# Altium PCB DSUB_V2_JGl_RoV24_RevA.PcbDoc (part 2 of 2)
Units mm, origin at the board's own origin, x right, y up, seen from the top; angles counter-clockwise.
Board outline 180 x 186 mm, 4 copper layers (Top Layer, Layer 1, Layer 2, Bottom Layer), stack 0.603 mm thick; 123 components, 97 nets, 879 pads, 118 vias.
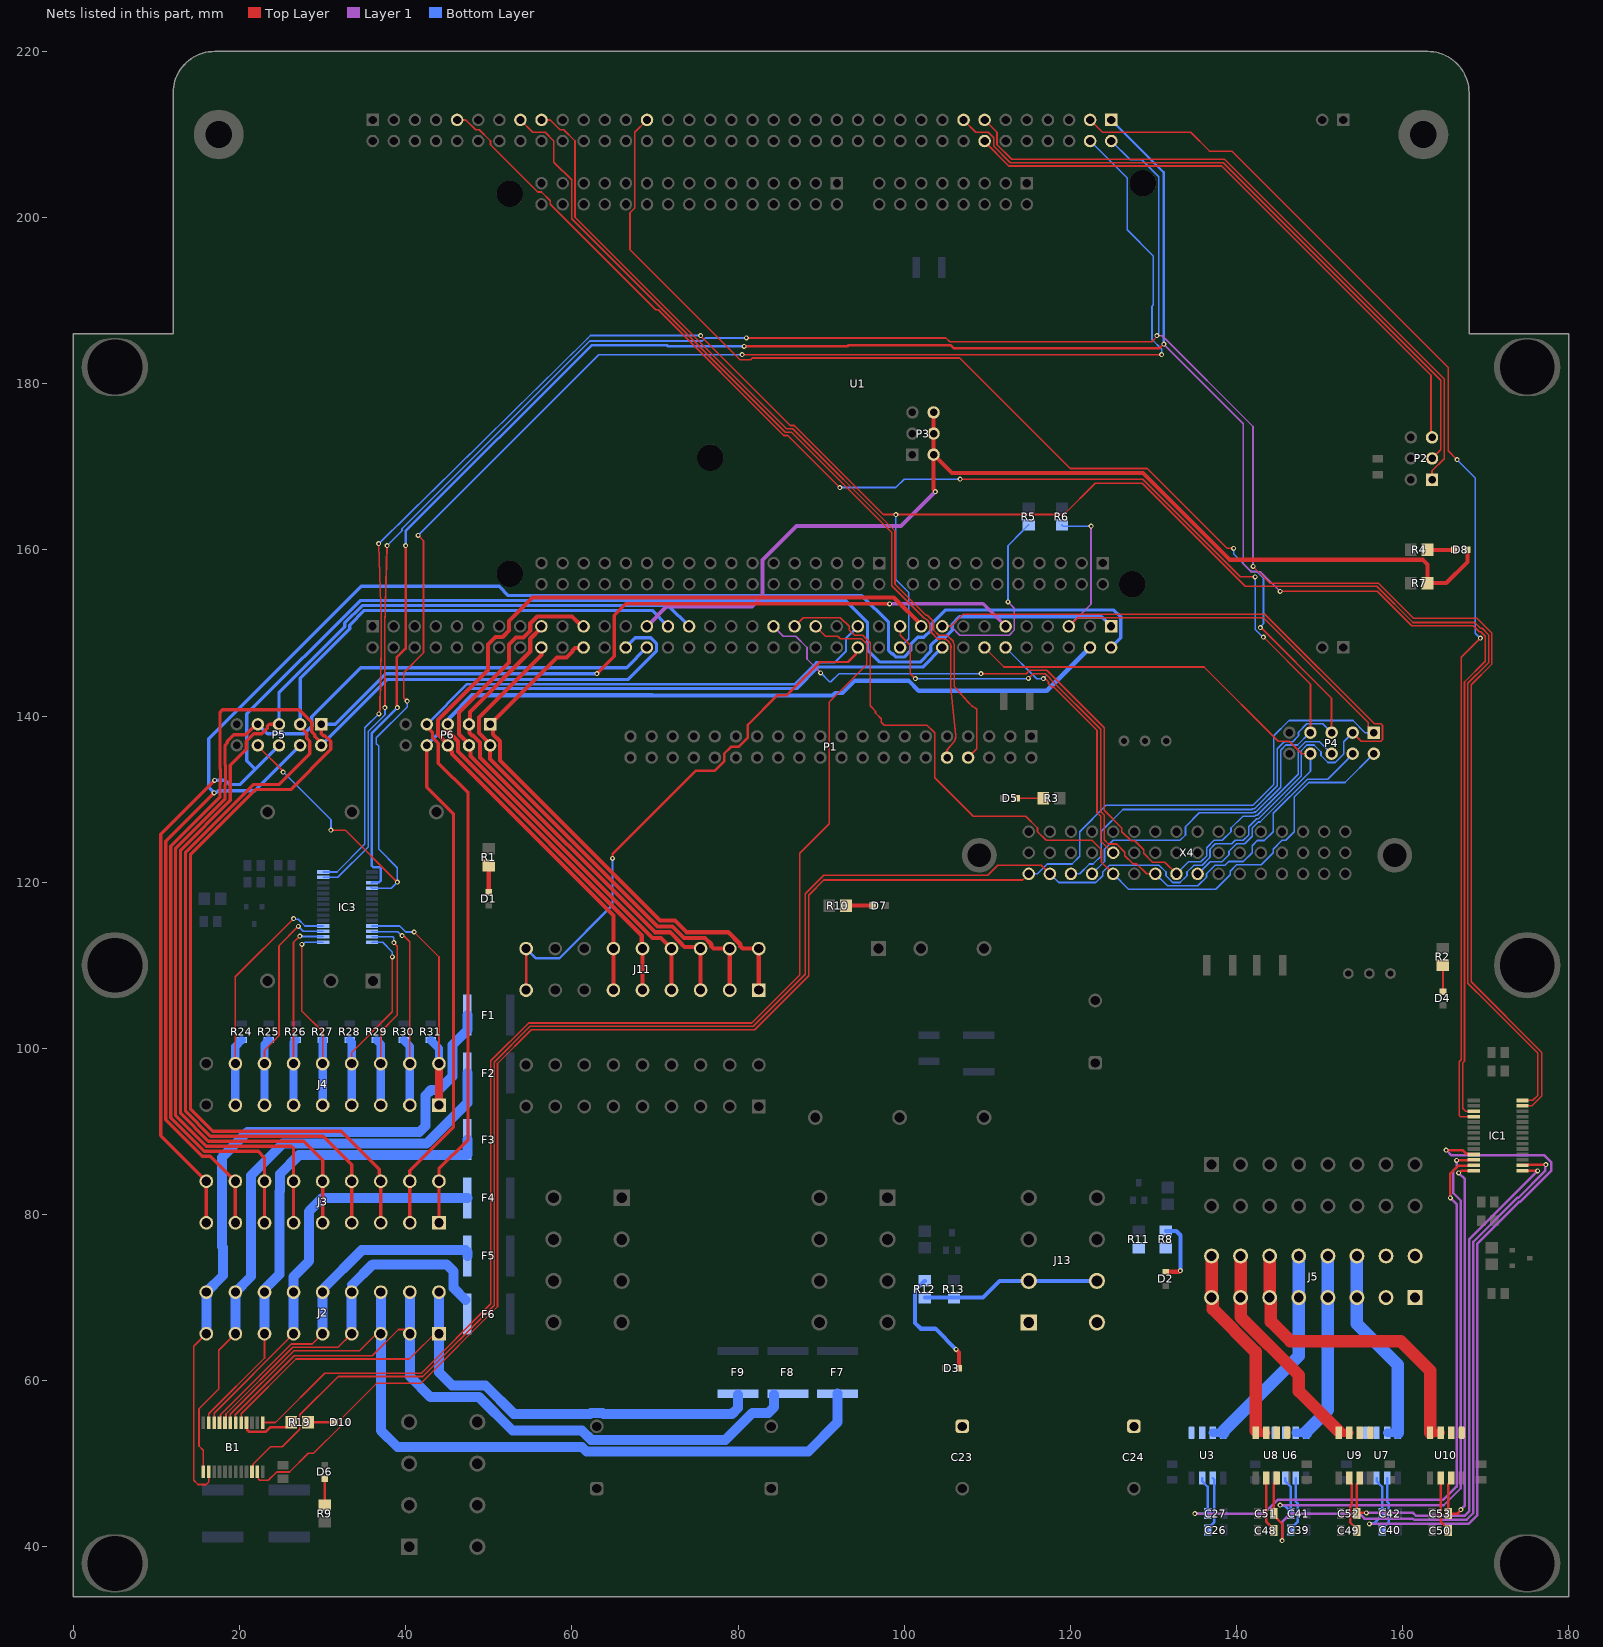
[diagram p4: the nets of this part, all layers, seen from the top]

## Via types
v1: diameter 0.6, hole 0.3, Top Layer to Bottom Layer, 118 vias

## Nets (pads, with @x,y where several pads share a name; then routed paths per layer and width w, separated by ;. In a path a pad name is that pad's centre, name@x,y a point inside that pad or via, vN(x,y) a via of type N, cw(c..) or ccw(c..) an arc to the next point about the centre after c; other vN are vias at no path point) (continued)
GPIO3: J11.17 J11.18 U1.CN12_26 | length 66.3
  Top Layer w0.3: J11.17@54.5,107 J11.18@54.5,112 ; v1(64.893,122.85) 64.893,123.393 74.9,133.4 77.176,133.4 78.32,134.544 78.32,135.456 79.134,136.27 80.046,136.27 81.2,137.424 81.2,138.95 84.757,142.507 85.876,142.507 89.868,146.5 93.25,146.5 94.199,147.449 94.199,148.019 U1.CN12_26@94.43,148.25
  Bottom Layer w0.3: J11.18@54.5,112 55.675,110.825 58.487,110.825 64.893,117.232 v1(64.893,122.85)
Interrupt_Fuses: B1.1 U1.CN12_29 | length 154.3
  Top Layer w0.2: B1.1@22.791,54.95 24.317,54.95 30.267,60.9 41.9,60.9 50.25,69.25 50.25,98.5 54.8,103.05 81.669,103.05 87.434,108.816 87.434,123.485 90.97,127.021 90.97,141.691 95.484,146.205 95.484,148.687 94.867,149.304 92.327,149.304 92.017,149.613 90.527,149.613 U1.CN12_29@89.35,150.79
M1_Cur: C42.2 IC1.11 U7.7 | length 83.2
  Top Layer w0.3: v1(165.25,87.75) 167.23,87.75 167.68,87.3 168.487,87.3 IC1.11@168.562,87.225
  Layer 1 w0.3: v1(156,42.75) 167.914,42.75 169,43.836 169,76.5 174,81.5 174.126,81.5 177.9,85.274 177.9,86.269 177.019,87.15 165.85,87.15 v1(165.25,87.75)
  Bottom Layer w0.3: v1(156,42.75) 156.057,42.807 156.557,42.807 157.55,43.8 C42.2@157.55,44 157.55,47.21 156.865,47.895 U7.7@156.865,48.275
M1_PWM: J11.1 J11.2 P6.1 U1.CN12_52 | length 65.7
  Top Layer w0.5: U1.CN12_52@61.41,148.25 61.326,148.166 60.367,148.166 60.074,147.873 60.074,147.751 59.369,147.046 58.206,147.046 P6.1@50.16,139 50.519,138.641 50.519,137.798 51.36,136.957 51.36,134.63 70.615,115.375 72.408,115.375 73.808,113.975 78.828,113.975 80.275,112.528 80.275,112.293 80.568,112 J11.2@82.5,112 J11.1@82.5,107
M2_Cur: C41.2 IC1.12 U6.7 | length 71.5
  Top Layer w0.3: v1(166.5,86.5) 166.538,86.538 168.524,86.538 IC1.12@168.562,86.575
  Layer 1 w0.3: v1(145.264,45.015) 145.279,45 164.957,45 167,47.043 167,81.669 166.1,82.569 166.1,85.269 166.5,85.669 v1(166.5,86.5)
  Bottom Layer w0.3: v1(145.264,45.015) 145.321,44.958 145.792,44.958 146.55,44.2 146.55,43.8 146.55,47.21 145.865,47.895 U6.7@145.865,48.275
M2_PWM: J11.3 J11.4 P6.2 U1.CN12_56 | length 60.5
  Top Layer w0.5: U1.CN12_56@56.33,148.25 56.33,147.33 48.82,139.82 48.82,137.947 50.16,136.607 P6.2@50.16,136.46 50.16,134.84 70.325,114.675 72.118,114.675 73.518,113.275 76.028,113.275 76.775,112.528 76.775,112.293 77.068,112 J11.4@79,112 J11.3@79,107
M3_Cur: C27.2 IC1.13 U3.7 | length 80.1
  Top Layer w0.3: v1(165.75,82) 165.75,84.919 166.681,85.85 168.35,85.85 IC1.13@168.5,86
  Layer 1 w0.3: v1(135,44) 143.33,44 144.995,45.665 164.915,45.665 166.5,47.25 166.5,81.25 v1(165.75,82)
  Bottom Layer w0.3: v1(135,44) C27.2@136.55,44 136.55,47.21 135.865,47.895 U3.7@135.865,48.275
M3_PWM: J11.5 J11.6 P6.3 U1.CN12_55 | length 60.9
  Top Layer w0.5: U1.CN12_55@56.523,150.523 56.216,150.523 54.994,149.301 54.994,147.751 47.743,140.5 47.743,139.123 P6.3@47.62,139 47.694,138.926 47.694,137.953 47.987,137.66 48.117,137.66 48.96,136.817 48.96,135.01 69.995,113.975 71.828,113.975 73.275,112.528 73.275,112.467 73.568,112.174 75.326,112.174 J11.6@75.5,112 ; J11.5@75.5,107 J11.6@75.5,111.817
M4_Cur: C53.2 IC1.14 U10.7 | length 49.2
  Top Layer w0.3: U10.7@165.847,48.275 165.847,47.895 165.472,47.52 C53.2@165.472,44 166.669,44 166.669,44.048 167,44.379 v1(167,44.461) ; v1(166.75,85) 166.831,85 167.106,85.275 IC1.14@168.562,85.275
  Layer 1 w0.3: v1(166.75,85) 167.5,84.25 167.5,44.961 v1(167,44.461)
M4_PWM: J11.7 J11.8 P6.4 U1.CN12_51 | length 66.2
  Top Layer w0.5: U1.CN12_51@61.017,150.983 60.006,151.994 55.831,151.994 55,151.163 55,150.297 54.16,149.457 53.294,149.457 52.454,148.617 52.454,146.454 46.42,140.42 46.42,137.807 47.62,136.607 P6.4@47.62,136.46 47.811,136.269 47.811,135.169 69.705,113.275 70.725,113.275 J11.8@72,112 ; J11.7@72,107 J11.8@72,112
M5_Cur: C52.2 IC1.15 U9.7 | length 64.6
  Top Layer w0.3: U9.7@154.847,48.275 154.847,47.895 154.472,47.52 C52.2@154.472,44 154.55,44.078 v1(155.632,44.078) ; IC1.15@174.438,85.275 174.45,85.263 176.237,85.263 v1(176.25,85.25)
  Layer 1 w0.3: v1(155.632,44.078) 161.252,44.078 161.581,43.75 167.5,43.75 168,44.25 168,77 v1(176.25,85.25)
M5_PWM: J11.9 J11.10 P6.5 U1.CN12_4 | length 124.9
  Top Layer w0.5: P6.5@45,139.5 45,138.237 46.28,136.957 46.28,135.71 68.415,113.575 68.415,112.086 J11.10@68.5,112 68.5,111.755 J11.9@68.5,106.689
  Bottom Layer w0.5: P6.5@45.182,139.373 45.271,139.462 45.271,139.771 48,142.5 69.68,142.5 69.73,142.45 91.409,142.45 91.709,142.75 92.568,142.75 94.068,144.25 100.539,144.25 101.748,143.041 117.161,143.041 122.396,148.276 U1.CN12_4@122.587,148.276
M6_Cur: C51.2 IC1.16 U8.7 | length 82.9
  Top Layer w0.3: U8.7@144.847,48.275 144.847,47.895 144.472,47.52 144.472,43.8 145.5,42.772 v1(145.5,40.75) ; IC1.16@174.438,85.925 174.476,85.963 177.213,85.963 v1(177.25,86)
  Layer 1 w0.3: v1(145.5,40.75) 145.5,43 146.5,44 154.792,44 155.392,43.4 161.224,43.4 161.374,43.25 167.707,43.25 168.5,44.043 168.5,76.707 173.793,82 173.919,82 177.193,85.273 177.193,85.943 v1(177.25,86)
M6_PWM: J11.11 J11.12 P6.6 U1.CN12_19 | length 109.7
  Top Layer w0.5: J11.11@65,107 J11.12@65,112 65,116 45.58,135.42 45.58,135.689 45.271,135.998 45.271,136.375 43.88,137.767 43.88,139.497 49.914,145.531 49.914,148.617 50.817,149.52 51.683,149.52 52.454,150.291 52.454,151.454 55.25,154.25 98.75,154.25 U1.CN12_19@102.249,150.751
M_I2C_SCL: B1.22 P4.3 R5.1 U1.CN12_17 X4.A2 | length 292
  Top Layer w0.2: B1.22@21.492,49.05 21.617,49.175 21.617,49.924 23.717,52.025 25.141,52.025 27.241,54.126 27.241,54.23 27.242,55.874 31.867,60.5 42.066,60.5 50.65,69.084 50.65,98.334 54.966,102.65 81.834,102.65 88.1,108.916 88.1,118.6 90.34,120.84 110.044,120.84 111.254,122.05 116.49,122.05 X4.A2@117.54,121 ; U1.CN12_17@104.59,150.79 104.595,150.795 105.644,150.795 107.093,152.244 143.42,152.244 156.614,139.05 157.404,139.05 157.58,138.874 157.58,137.126 157.404,136.95 155.04,136.95 P4.3@153.99,138
  Layer 1 w0.2: U1.CN12_17@104.59,150.79 104.595,150.785 105.644,150.785 106.693,149.736 112.647,149.736 113.264,150.353 113.264,152.986 v1(112.5,153.75)
  Bottom Layer w0.2: v1(112.5,153.75) 112.5,160.5 114.35,162.35 114.35,162.4 114.95,163 R5.1@115,163 ; X4.A2@117.54,121 118.59,119.95 123.055,119.95 123.89,120.785 123.89,121.215 124.725,122.05 130.675,122.05 131.51,121.215 131.51,120.785 132.345,119.95 133.215,119.95 134.05,120.785 134.05,121.215 134.885,122.05 135.881,122.05 136.81,122.979 136.81,123.975 137.465,124.63 139.439,124.63 139.839,125.03 140.835,125.03 141.49,125.685 141.49,126.681 142.459,127.65 142.663,127.65 147.82,132.807 147.82,135.855 148.475,136.51 149.345,136.51 150.18,135.675 150.18,135.245 151.015,134.41 151.885,134.41 152.9,135.425 152.9,136.91 P4.3@153.99,138
M_I2C_SDA: B1.23 P4.1 R6.1 U1.CN12_5 X4.A1 | length 262.2
  Top Layer w0.2: B1.23@22.142,49.05 22.266,48.925 22.266,48.176 22.442,48 23.467,48 24.467,49 26.016,49 28.254,51.238 28.904,51.238 32.142,54.476 32.142,55.324 36.479,59.662 41.794,59.662 51.05,68.919 51.05,98.169 55.131,102.25 82,102.25 88.5,108.75 88.5,118.434 90.316,120.25 114.25,120.25 X4.A1@115,121 ; U1.CN12_5@119.83,150.79 120.884,151.844 143.255,151.844 155.88,139.219 155.88,138.65 P4.1@156.53,138
  Layer 1 w0.2: U1.CN12_5@119.83,150.79 122.499,153.459 v1(122.499,162.857)
  Bottom Layer w0.2: X4.A1@115,121 116.055,121 117.232,122.177 120.202,122.177 121.13,123.105 121.13,126.075 124.305,129.25 142,129.25 144.5,131.75 144.5,137.615 146.335,139.45 154.025,139.45 155.475,138 P4.1@156.53,138 ; R6.1@119,163 119.143,162.857 v1(122.499,162.857)
NetB1_4: B1.4 R19.2 | length 6.8
  Top Layer w0.3: B1.4@20.841,54.95 20.916,54.875 20.916,54.055 21.122,53.85 23.161,53.85 23.711,54.4 25.691,54.4 26.241,54.95 R19.2@26.241,55
NetC23_1: C23.1 J13.A1 J13.B1 R8.2 R11.2 U3.1 U3.2 U6.1 U6.2 U7.1 U7.2
NetC24_1: C24.1 J13.A2 J13.B2 R12.2 R13.2 U8.1 U8.2 U9.1 U9.2 U10.1 U10.2 | length 21.5
  Bottom Layer w0.5: R12.2@102.5,70 R13.2@106,70 109.5,70 111.5,72 J13.A2@115,72 J13.B2@123.2,72
NetC26_2: C26.2 U3.6 | length 6.7
  Bottom Layer w0.3: C26.2@136.55,42 136.55,42.2 137.35,43 137.35,48.06 U3.6@137.135,48.275
NetC39_2: C39.2 U6.6 | length 6.7
  Bottom Layer w0.3: C39.2@146.55,42 146.55,42.2 147.35,43 147.35,45.225 147.135,45.44 U6.6@147.135,48.275
NetC40_2: C40.2 U7.6 | length 6.7
  Bottom Layer w0.3: C40.2@157.55,42 157.55,42.2 158.35,43 158.35,45.225 158.135,45.44 U7.6@158.135,48.275
NetC48_2: C48.2 U8.6 | length 6.7
  Top Layer w0.3: U8.6@143.577,48.275 143.577,43.041 144.472,42.146 C48.2@144.472,41.946
NetC49_2: C49.2 U9.6 | length 6.9
  Top Layer w0.3: U9.6@153.577,48.275 153.577,47.895 153.9,47.572 153.9,45.096 153.672,44.869 153.672,42.946 154.472,42.146 C49.2@154.472,41.946
NetC50_2: C50.2 U10.6 | length 6.7
  Top Layer w0.3: U10.6@164.577,48.275 164.577,43.041 165.472,42.146 C50.2@165.472,41.946
NetD1_1: D1.1 R1.1 | length 3.2
  Top Layer w0.5: D1.1@50,118.8 R1.1@50,122.001
NetD2_2: D2.2 R8.1 | length 8
  Top Layer w0.5: D2.2@131.5,73.1 133.073,73.1 133.223,73.25 v1(133.25,73.25)
  Bottom Layer w0.5: R8.1@131.5,78 132.75,78 133.25,77.5 v1(133.25,73.25)
NetD3_2: D3.2 R12.1 | length 14.3
  Top Layer w0.5: v1(106.25,63.75) 106.25,63.723 106.6,63.373 D3.2@106.6,61.5
  Bottom Layer w0.5: R12.1@102.5,72 102.45,72 101.646,71.196 101.61,71.196 101.3,70.886 101.3,66.95 102,66.25 103.75,66.25 v1(106.25,63.75)
NetD4_1: D4.1 R2.1 | length 3.2
  Top Layer w0.2: D4.1@164.856,106.8 R2.1@164.856,110
NetD5_1: D5.1 R3.1 | length 3.2
  Top Layer w0.2: D5.1@113.55,130.104 R3.1@116.751,130.104
NetD6_1: D6.1 R9.1 | length 3.2
  Top Layer w0.3: R9.1@30.242,45 D6.1@30.241,48.2
NetD7_1: D7.1 R10.1 | length 3.2
  Top Layer w0.5: R10.1@93,117.184 D7.1@96.2,117.184
NetD8_1: D8.1 R4.1 | length 3.2
  Top Layer w0.5: R4.1@163,160 D8.1@166.2,160
NetD10_1: D10.1 R19.1 | length 3.2
  Top Layer w0.3: R19.1@28.242,55 D10.1@31.442,55
NetJ5_1: J5.1 J5.2 J5.3 J5.4
NetJ5_5: J5.5 J5.6 U7.3 U7.4 | length 24.6
  Bottom Layer w1: U7.3@158.135,53.725 U7.4@159.405,53.725
  Bottom Layer w1.5: J5.6@154.5,75 J5.5@154.5,70 154.5,66.837 159.405,61.932 U7.4@159.405,53.725
NetJ5_7: J5.7 J5.8 U6.3 U6.4 | length 23.6
  Bottom Layer w1: U6.3@147.135,53.725 U6.4@148.405,53.725
  Bottom Layer w1.5: U6.4@148.405,53.725 148.405,53.865 151,56.46 J5.7@151,70 J5.8@151,75
NetJ5_9: J5.9 J5.10 U3.3 U3.4 | length 26.3
  Bottom Layer w1: U3.3@137.135,53.725 U3.4@138.405,53.725
  Bottom Layer w1.5: U3.4@138.405,53.725 138.405,53.865 147.5,62.96 J5.9@147.5,70 J5.10@147.5,75
NetJ5_11: J5.11 J5.12 U10.3 U10.4 | length 38.3
  Top Layer w1: U10.4@163.307,53.725 U10.3@164.577,53.725
  Top Layer w1.5: J5.12@144,75 144,69.919 144.153,69.766 144.153,67.097 146.5,64.75 159.75,64.75 163.307,61.193 U10.4@163.307,53.725
NetJ5_13: J5.13 J5.14 U9.3 U9.4 | length 27.2
  Top Layer w1: U9.4@152.307,53.725 U9.3@153.577,53.725
  Top Layer w1.5: J5.14@140.5,75 140.5,67.654 147.5,60.654 147.5,58.735 U9.4@152.25,53.985
NetJ5_15: J5.15 J5.16 U8.3 U8.4 | length 24.4
  Top Layer w1: U8.4@142.427,53.725 U8.3@143.577,53.725
  Top Layer w1.5: J5.16@137,75 137,69.919 137.153,69.766 137.153,68.597 142.3,63.45 142.3,53.992 U8.4@142.307,53.985
NRST: P2.5 U1.CN11_14 | length 73
  Top Layer w0.2: U1.CN11_14@109.69,209.21 109.69,209.128 112.609,206.209 138.226,206.209 163.41,181.024 163.41,173.67 P2.5@163.54,173.54
RPI_UART_RX: P1.10 U1.CN11_57 | length 100.4
  Top Layer w0.2: U1.CN11_57@53.81,211.75 55.296,210.264 56.787,210.264 57.836,209.215 57.836,206.675 59.976,204.535 59.976,199.86 85.674,174.162 86.437,174.162 98.5,162.099 98.5,155.684 102.4,151.784 cw(c102.05,150.79) 103.103,150.844 103.136,150.188 103.195,150.129 104.046,149.277 104.355,149.277 cw(c104.59,148.25) 105.621,148.029 105.617,147.992 105.617,145.852 105.621,143.389 106.205,137.646 cw(c105.16,137.54) 105.958,136.857 105.167,135.933 105.167,135.85 105.167,135.007 P1.10@105.16,135
RPI_UART_TX: P1.8 U1.CN11_55 | length 100.9
  Top Layer w0.2: U1.CN11_55@56.35,211.75 56.355,211.745 57.404,211.745 58.576,210.573 59.017,210.573 60.376,209.215 60.376,200.025 85.84,174.562 86.602,174.562 98.9,162.264 98.9,155.85 102.624,152.126 102.77,152.126 103.386,151.51 103.386,151.364 103.536,151.214 103.536,150.353 104.153,149.736 104.679,149.701 ccw(c104.692,149.901) 104.692,149.701 105.195,149.701 105.905,148.991 105.905,148.914 ccw(c106.105,148.914) 105.925,148.829 106.017,148.633 106.017,148.528 cw(c104.59,148.25) 106.021,147.99 106.021,143.637 106.021,143.554 107.7,141.669 108.169,141.2 108.633,140.942 108.75,140.825 108.75,136.05 P1.8@107.7,135
S1_Current: IC3.11 J4.1 J4.2 R31.1 | length 30.9
  Top Layer w0.2: v1(41,114) 44,111 J4.2@44,98.154 J4.2@44,98
  Top Layer w1: J4.1@44,93 J4.1@44,93.154 J4.2@44,98
  Bottom Layer w0.2: IC3.11@35.938,114.725 39.275,114.725 40,114 v1(41,114)
  Bottom Layer w1: R31.1@43,101 43,100.975 44,99.975 J4.2@44,98.154
S1_Fuse: B1.5 F9.2 J2.1 J2.2 | length 78.8
  Top Layer w0.2: B1.5@20.191,54.95 20.191,56 26.792,62.6 40.446,62.6 J2.1@44,66.154
  Bottom Layer w1.2: J2.2@44,70.646 44,61 45.6,59.4 49.6,59.4 53,56 62.206,56 62.327,56.121 63.673,56.121 63.794,56 79.297,56 80,56.703 F9.2@80,58.345
S1_PWM: J3.1 J3.2 P6.7 U1.CN12_25 | length 121.2
  Top Layer w0.4: P6.7@42.54,139 42.54,138.702 43.23,138.012 43.23,137.396 43.93,136.696 43.93,134.32 47.5,130.75 47.5,89 44,85.5 J3.2@44,84 J3.1@44,79
  Bottom Layer w0.3: P6.7@42.54,139 47.39,143.85 86.832,143.85 89.432,146.45 91.651,146.45 93,147.799 93,149.36 U1.CN12_25@94.43,150.79
S2_Current: IC3.12 J4.3 J4.4 R30.1 | length 27.8
  Top Layer w0.2: v1(39.575,113.576) 39.652,113.5 39.819,113.5 40.5,112.819 J4.4@40.5,98.25
  Bottom Layer w0.2: IC3.12@35.938,114.075 35.975,114.038 39.046,114.038 39.507,113.576 v1(39.575,113.576)
  Bottom Layer w1: R30.1@39.75,101 39.75,100.975 40.5,100.225 J4.4@40.5,98.154 J4.3@40.5,93.154
S2_Fuse: B1.6 F8.2 J2.3 J2.4 | length 87
  Top Layer w0.2: B1.6@19.5,54.5 19.5,55.899 26.601,63 35.977,63 39.131,66.154 J2.3@40.5,66.154
  Bottom Layer w1.2: J2.4@40.5,70.646 40.5,60.5 43,58 48.853,58 52.853,54 61.198,54 62.327,52.871 78.479,52.871 81.729,56.121 83.655,56.121 84.358,56.824 F8.2@84.358,58.345
S2_PWM: J3.3 J3.4 P6.8 U1.CN12_18 | length 128.9
  Top Layer w0.4: J3.3@40.5,79 40.5,85.25 45.75,90.5 45.75,128.234 42.54,131.444 P6.8@42.54,136.46
  Bottom Layer w0.4: P6.8@42.54,136.46 43.93,137.85 43.93,139.612 47.618,143.3 87.06,143.3 89.66,145.9 91.952,145.9 91.956,145.896 102.236,145.896 U1.CN12_18@104.59,148.25
S3_Current: IC3.13 J4.5 J4.6 R29.1 | length 26.9
  Top Layer w0.2: J4.6@37,98.154 37,102 39,104 39,112.292 v1(38.576,112.717)
  Bottom Layer w0.2: IC3.13@35.938,113.425 38.459,113.425 38.576,113.308 v1(38.576,112.717)
  Bottom Layer w1: R29.1@36.5,101 36.5,100.975 37,100.475 J4.6@37,98.154 J4.5@37,93.154
S3_Fuse: B1.7 F7.2 J2.5 J2.6 | length 100.9
  Top Layer w0.2: B1.7@18.891,54.95 18.891,55.941 26.551,63.6 34.446,63.6 J2.5@37,66.154
  Bottom Layer w1.2: J2.6@37,70.646 37,54 39,52 61.218,52 61.747,51.471 88.471,51.471 92,55 F7.2@92,58.435
S3_PWM: J3.5 J3.6 P5.1 U1.CN12_11 | length 181
  Top Layer w0.4: P5.1@29.831,139 29.831,137.868 30.065,137.633 30.284,137.633 30.981,136.936 30.981,135.984 26.147,131.15 21.9,131.15 14.1,123.35 14.1,92.65 16.75,90 32.25,90 36.825,85.425 36.825,84.175 J3.6@37,84 J3.5@37,79 ; v1(63,145.1) 65.104,147.204 65.104,152.104 66.5,153.5 v1(98.25,153.5)
  Layer 1 w0.4: v1(98.25,153.5) 109.5,153.5 U1.CN12_11@112.21,150.79
  Bottom Layer w0.4: P5.1@29.831,139 31.522,139 37.622,145.1 v1(63,145.1)
S4_Current: IC3.14 J4.7 J4.8 R28.1 | length 26.4
  Top Layer w0.2: J4.8@33.5,98.154 33.5,99.5 38.4,104.4 v1(38.4,111)
  Bottom Layer w0.2: IC3.14@35.938,112.775 37.225,112.775 38.4,111.6 v1(38.4,111)
  Bottom Layer w1: R28.1@33.25,101 33.25,100.975 33.5,100.725 J4.8@33.5,98.154 J4.7@33.5,93.154
S4_Fuse: B1.8 F6.2 J2.7 J2.8 | length 43.6
  Top Layer w0.2: B1.8@18.241,54.95 18.366,55.075 18.366,55.981 26.385,64 31.854,64 J2.7@33.5,65.646
  Bottom Layer w1.2: J2.7@33.5,65.686 J2.8@33.5,70.605 ; J2.8@33.5,70.646 33.529,70.674 33.529,71.496 36.033,74 44.896,74 45.775,73.121 45.775,71.14 F6.2@47.195,69.72
S4_PWM: J3.7 J3.8 P5.3 U1.CN12_43 | length 139
  Top Layer w0.4: P5.3@27.291,139 27.291,138.702 28.081,137.912 28.081,137.296 28.441,136.936 28.441,135.451 24.74,131.75 21.651,131.75 13.5,123.599 13.5,92.401 16.501,89.4 30.1,89.4 33.5,86 J3.8@33.5,84 J3.7@33.5,79
  Bottom Layer w0.4: P5.3@27.291,139 27.291,144.541 33.25,150.5 33.25,150.952 34.998,152.7 69.66,152.7 U1.CN12_43@71.57,150.79
S5_Current: IC3.15 J4.9 J4.10 R27.1 | length 25.9
  Top Layer w0.2: v1(27.5,112.5) 27.5,104.5 30,102 J4.10@30,98.154
  Bottom Layer w0.2: v1(27.5,112.5) 27.608,112.5 27.883,112.775 IC3.15@30.062,112.775
  Bottom Layer w1: J4.9@30,93.154 30,95.75 R27.1@30,101
S5_Fuse: B1.9 F5.2 J2.9 J2.10 | length 42.6
  Top Layer w0.2: B1.9@17.591,54.95 17.716,55.075 17.716,55.897 26.219,64.4 28.754,64.4 J2.9@30,65.646
  Bottom Layer w1.2: J2.9@30,65.646 J2.10@30,70.646 30,70.715 30.029,70.715 30.029,71.029 34.7,75.7 47.195,75.7 47.435,75.46 F5.2@47.435,75
S5_PWM: J3.9 J3.10 P5.5 U1.CN12_41 | length 138.8
  Top Layer w0.4: P5.5@24.751,139 23.595,139 23.361,138.766 23.361,138.524 22.687,137.85 21.735,137.85 20.821,136.936 20.821,135.984 18.9,134.063 18.9,129.847 12.9,123.847 12.9,92.153 16.253,88.8 27.7,88.8 30,86.5 J3.10@30,84 J3.9@30,79
  Bottom Layer w0.4: P5.5@24.751,139 24.751,142.849 32.65,150.749 32.65,151.201 34.749,153.3 71.6,153.3 U1.CN12_41@74.11,150.79
S6_Current: IC3.16 J4.11 J4.12 R26.1 | length 26.4
  Top Layer w0.2: J4.12@26.5,98.154 26.5,112.75 v1(27.25,113.5)
  Bottom Layer w0.2: v1(27.25,113.5) 27.288,113.462 30.024,113.462 IC3.16@30.062,113.425
  Bottom Layer w1: J4.11@26.5,93.154 J4.12@26.5,98.154 26.5,100.725 26.75,100.975 R26.1@26.75,101
S6_Fuse: B1.10 F4.2 J2.11 J2.12 | length 49.9
  Top Layer w0.2: B1.10@16.942,54.95 16.942,56.087 J2.11@26.5,65.646
  Bottom Layer w1.2: J2.11@26.5,65.646 26.5,72.5 28.375,74.375 28.375,80.375 30,82 F4.2@47.435,82
S6_PWM: J3.11 J3.12 P5.7 U1.CN12_46 | length 129.3
  Top Layer w0.4: P5.7@22.211,139 22,139 20.73,137.73 19.315,137.73 18.521,136.936 18.521,136.771 18.25,136.5 18.25,134.131 18.3,134.081 18.3,131.712 18.25,131.662 18.25,130.046 12.3,124.096 12.3,91.904 16.004,88.2 26.25,88.2 26.5,87.95 J3.12@26.5,84 J3.11@26.5,79
  Bottom Layer w0.4: P5.7@22.211,139 23.361,137.85 27.767,137.85 28.681,138.764 28.681,139.916 34.565,145.8 66.58,145.8 U1.CN12_46@69.03,148.25
S7_Current: IC3.17 J4.13 J4.14 R25.1 | length 29.5
  Top Layer w0.2: J4.14@23,98.154 23,99.75 24.75,101.5 24.75,112.363 v1(27.068,114.682)
  Bottom Layer w0.2: v1(27.068,114.682) 27.675,114.075 IC3.17@30.062,114.075
  Bottom Layer w1: J4.13@23,93.154 J4.14@23,98.154 23,100.475 23.5,100.975 R25.1@23.5,101
S7_Fuse: B1.11 F3.2 J2.13 J2.14 | length 58.8
  Top Layer w0.2: B1.11@16.291,54.95 16.291,56.003 23,62.711 J2.13@23,65.646
  Bottom Layer w1.2: J2.13@23,65.646 J2.14@23,70.646 23,70.854 23.086,70.854 23.086,71.086 24.783,72.783 24.783,82.736 24.875,82.827 24.875,84.875 27.13,87.13 47.345,87.13 47.435,87.22 F3.2@47.435,89
S7_PWM: J3.13 J3.14 P5.2 U1.CN12_48 | length 137.9
  Top Layer w0.4: J3.13@23,79 J3.14@23,84 23,86.85 22.25,87.6 15.756,87.6 11.7,91.656 11.7,124.344 17.65,130.294 17.65,131.91 17.7,131.96 17.7,133.582 17.65,133.632 17.65,140.458 17.942,140.75 27.167,140.75 28.681,139.236 28.681,138.084 29.041,137.724 29.041,137.548 29.831,136.758 P5.2@29.831,136.46
  Bottom Layer w0.4: P5.2@29.831,136.46 37.771,144.4 66.812,144.4 70.184,147.772 70.184,148.728 69.508,149.404 67.644,149.404 U1.CN12_48@66.49,148.25
S8_Current: IC3.18 J4.15 J4.16 R24.1 | length 32.4
  Top Layer w0.2: J4.16@19.5,98.154 19.5,108.599 v1(26.5,115.599)
  Bottom Layer w0.2: v1(26.5,115.599) 26.577,115.523 27.076,115.523 27.874,114.725 IC3.18@30.062,114.725
  Bottom Layer w1: J4.15@19.5,93.154 J4.16@19.5,98.154 19.5,100.225 20.25,100.975 R24.1@20.25,101
S8_Fuse: B1.13 F2.2 J2.15 J2.16 | length 71.7
  Top Layer w0.2: B1.13@15.641,49.05 15.641,51.609 15.116,52.134 15.116,56.616 17.5,59 17.5,63.646 J2.15@19.5,65.646
  Bottom Layer w1.2: J2.15@19.5,65.646 J2.16@19.5,70.646 21.375,72.521 21.375,82.827 21.375,84.673 25.232,88.53 42.53,88.53 47.435,93.435 F2.2@47.435,97
S8_PWM: J3.15 J3.16 P5.4 U1.CN12_2 | length 208.1
  Top Layer w0.4: v1(16.95,130.759) 11.1,124.909 11.1,91.407 15.507,87 16.5,87 J3.16@19.5,84 J3.15@19.5,79
  Bottom Layer w0.4: v1(16.95,130.759) 16.3,131.409 16.3,137.255 34.645,155.6 51.252,155.6 52.352,154.5 94.892,154.5 98.124,151.268 98.124,147.876 98.5,147.5 98.628,147.5 99.032,147.096 99.988,147.096 100.78,147.888 100.78,148.612 101.63,149.462 102.354,149.462 103.233,150.341 103.233,151.065 104.918,152.75 125.25,152.75 126.064,151.936 126.064,149.404 U1.CN12_2@124.91,148.25 ; v1@17.129,130.817 17.237,130.817 17.42,131 21.831,131 P5.4@27.291,136.46
S9_Fuse: B1.14 F1.2 J2.17 J2.18 | length 85.8
  Top Layer w0.2: J2.17@16,65.646 14.5,64.146 14.5,48 15,47.5 16,47.5 16.291,47.791 B1.14@16.291,49.05
  Bottom Layer w1.2: J2.17@16,65.646 J2.18@16,70.646 18,72.646 18,76 17.875,76.125 17.875,82.827 17.875,86.875 20.93,89.93 41.672,89.93 42.375,90.633 42.375,94.311 43.064,95 44,95 45.625,96.625 45.625,100.41 47.435,102.22 F1.2@47.435,104
S9_PWM: J3.17 J3.18 P5.6 U1.CN12_1 | length 193.5
  Top Layer w0.4: J3.17@16,79 J3.18@16,84 10.5,89.5 10.5,125.75 v1(17,132.25)
  Bottom Layer w0.4: v1(17,132.25) 18.298,132.25 18.798,131.75 20.041,131.75 21.895,133.605 ; P5.6@24.751,136.46 21.895,133.605 ; U1.CN12_1@124.91,150.79 123.756,151.944 106.652,151.944 105.773,151.065 105.773,150.341 104.923,149.491 104.199,149.491 103.204,148.496 103.204,147.772 101.928,146.496 97.092,146.496 95.584,148.004 95.584,151.268 92.952,153.9 34.501,153.9 20.87,140.269 20.87,134.63 21.895,133.605
SSPI1_CS1: P4.4 U1.CN12_21 X4.A7 | length 87
  Top Layer w0.2: U1.CN12_21@99.51,150.79 99.515,150.785 99.515,149.736 100.75,148.501 100.75,145.1 v1(101.35,144.5) ; v1(114.962,144.53) 115.532,145.1 116.999,145.1 117.566,144.533 117.566,144.5 123.67,138.396 123.67,128.489 124.07,128.089 124.07,125.119 124.599,124.59 125.595,124.59 126.567,123.618 126.567,123.189 127.578,122.177 128.008,122.177 129.185,121 X4.A7@130.24,121
  Bottom Layer w0.2: v1(101.35,144.5) 114.932,144.5 v1(114.962,144.53) ; X4.A7@130.24,121 131.69,119.55 135.355,119.55 136.39,120.585 136.39,121.015 137.425,122.05 138.626,122.05 139.066,122.49 140.835,122.49 141.883,123.538 141.883,124.383 142.516,125.016 143.361,125.016 144.43,126.085 144.43,128.286 148.544,132.4 151.006,132.4 153.99,135.384 P4.4@153.99,135.46
SSPI1_CS2: P4.6 U1.CN12_33 X4.A8 | length 97.6
  Top Layer w0.2: v1(109.25,145.1) 114.684,145.1 115.084,145.5 117.164,145.5 124.07,138.594 124.07,128.655 126.21,126.515 126.21,126.085 127.322,124.973 127.752,124.973 128.825,123.9 128.825,123.47 129.898,122.397 131.383,122.397 X4.A8@132.78,121
  Layer 1 w0.2: U1.CN12_33@84.27,150.79 85.447,149.613 86.937,149.613 88.296,148.255 88.296,146.854 v1(89.95,145.2)
  Bottom Layer w0.2: v1(89.95,145.2) 91.017,144.133 91.183,144.133 92.15,145.1 v1(109.25,145.1) ; X4.A8@132.78,121 134.23,122.45 135.715,122.45 136.41,123.145 136.41,124.141 137.299,125.03 138.295,125.03 139.35,126.085 139.35,126.515 140.785,127.95 142.194,127.95 142.294,128.05 142.497,128.05 147.42,132.973 147.42,136.021 148.309,136.91 150,136.91 P4.6@151.45,135.46
SSPI1_CS3: P4.8 U1.CN12_14 X4.A9 | length 66.2
  Top Layer w0.2: U1.CN12_14@109.67,148.25 112.02,145.9 136.1,145.9 145.05,136.95 146.365,136.95 147.855,135.46 P4.8@148.91,135.46
  Bottom Layer w0.2: X4.A9@135.32,121 135.396,121 136.846,122.45 138.255,122.45 139.11,123.305 139.11,123.735 140.002,124.627 140.998,124.627 141.89,125.519 141.89,126.515 142.625,127.25 142.828,127.25 148.91,133.332 P4.8@148.91,135.46
SSPI1_CS4: U1.CN12_12 X4.B5 | length 31
  Top Layer w0.2: v1@117,144.5 117.375,144.125 117.375,143.875 117.75,143.5 118,143.5 123.217,138.283 123.217,128.376 123.67,127.924 123.67,124.954 125.084,123.54 X4.B5@125.16,123.54
  Bottom Layer w0.2: U1.CN12_12@112.21,148.25 115.96,144.5 v1(116.75,144.5) 117,144.75
SSPI1_MISO: P4.7 U1.CN11_63 X4.A4 | length 179.1
  Top Layer w0.2: U1.CN11_63@46.19,211.75 46.195,211.745 47.244,211.745 48.416,210.573 48.857,210.573 50.216,209.215 50.216,208.773 55.913,203.076 56.355,203.076 57.404,202.027 57.404,201.585 70.104,188.885 70.385,188.885 85.508,173.762 85.988,173.762 v1(92.25,167.5) ; v1(106.75,168.5) 128.722,168.5 140.472,156.75 v1(142.25,156.75) ; v1(143.25,149.5) 148.91,143.84 P4.7@148.91,138
  Bottom Layer w0.2: v1(92.25,167.5) 99,167.5 100,168.5 v1(106.75,168.5) ; X4.A4@122.62,121 124.11,122.49 124.11,123.975 125.165,125.03 133.215,125.03 133.87,125.685 133.87,126.681 135.539,128.35 142.028,128.35 142.128,128.45 142.331,128.45 145.32,131.439 145.32,135.895 145.935,136.51 147.344,136.51 148.834,138 P4.7@148.91,138 ; v1(142.25,156.75) 142.25,150.407 143.157,149.5 v1(143.25,149.5)
SSPI1_MOSI: P4.5 U1.CN11_45 X4.A3 | length 175.9
  Top Layer w0.2: U1.CN11_45@69.05,211.75 67.564,210.264 67.564,201.153 67,200.589 67,196.14 80.248,182.891 81.522,182.891 81.726,183.096 106.704,183.096 120,169.8 129.261,169.8 138.871,160.189 v1(139.659,160.189) ; v1(142.878,150.628) 142.971,150.628 151.45,142.149 P4.5@151.45,138
  Bottom Layer w0.2: X4.A3@120.08,121 121.135,121 122.312,122.177 122.742,122.177 123.71,123.145 123.71,126.115 126.345,128.75 141.862,128.75 141.962,128.85 142.166,128.85 144.92,131.604 144.92,136.061 145.769,136.91 146.765,136.91 147.46,137.605 147.46,138.035 148.475,139.05 150.4,139.05 P4.5@151.45,138 ; v1(139.659,160.189) 139.659,159.492 141.751,157.4 142.449,157.4 143.25,156.599 143.25,151.104 142.878,150.732 v1(142.878,150.628)
SSPI1_SCK: P4.2 U1.CN12_31 X4.A5 | length 102.8
  Top Layer w0.2: U1.CN12_31@86.81,150.79 87.864,151.844 92.327,151.844 93.376,150.795 93.376,150.353 94.025,149.704 95.032,149.704 95.916,148.82 95.916,141.22 96.553,140.584 96.553,140.367 97.259,139.66 97.259,139.251 97.61,138.9 102.745,138.9 103.67,137.975 103.67,132.58 108.323,127.927 114.638,127.927 116.05,126.515 116.05,126.085 117.105,125.03 122.615,125.03 123.763,123.882 123.763,122.397 X4.A5@125.16,121
  Bottom Layer w0.2: X4.A5@125.16,121 127.01,119.15 137.495,119.15 139.24,120.895 139.24,121.325 140.005,122.09 142.975,122.09 144.43,123.545 144.43,123.975 145.485,125.03 145.915,125.03 146.97,126.085 146.97,130.26 148.71,132 153.07,132 P4.2@156.53,135.46
SSPI2_CS_Current: IC3.4 P5.8 U1.CN11_4 | length 201.7
  Top Layer w0.2: P5.8@22.211,136.46 22.211,136.375 25.25,133.335 v1(25.25,133.25) ; v1(31,126.25) 32.75,126.25 v1(39,120) ; v1(40.174,141.783) 39.75,142.208 39.75,145.22 42.144,147.614 42.144,161.106 v1(41.5,161.75) ; v1(80.497,183.491) 80.501,183.496 130.996,183.496 v1(131,183.5)
  Bottom Layer w0.2: v1(25.25,133.25) 31,127.5 v1(31,126.25) ; IC3.4@35.813,119.4 IC3.4@35.938,119.275 38.275,119.275 v1(39,120) 39,121.75 36.75,124 36.75,136.388 36.471,136.667 36.471,137.39 40.174,141.093 v1(40.174,141.783) ; v1(41.5,161.75) 63.25,183.5 80.488,183.5 v1(80.497,183.491) ; U1.CN11_4@122.39,209.21 126.84,204.76 126.84,198.533 130,195.373 130,189.5 129.831,189.331 129.831,185.32 131,184.151 v1(131,183.5)
SSPI2_CS_Current_Motors: IC1.4 U1.CN11_3 | length 149.9
  Top Layer w0.2: U1.CN11_3@122.39,211.75 123.876,210.264 134.486,210.264 136.75,208 139.423,208 165.483,181.94 165.483,171.924 v1(166.558,170.849) ; IC1.4@168.562,91.775 166.975,91.775 166.833,91.917 166.833,98.399 167.05,98.616 167.05,147.068 v1(169.35,149.368)
  Bottom Layer w0.2: v1(166.558,170.849) 168.75,168.657 168.75,149.968 v1(169.35,149.368)
SSPI2_MISO: IC1.27 IC3.27 U1.CN11_2 | length 302.6
  Top Layer w0.2: v1@37.496,141 v1(37.5,141) 37.496,148.249 ; 37.496,148.25 37.496,150.79 cw(c38.55,150.79) 37.496,150.818 v1(37.75,160.5) ; v1(81.003,185.509) 81.012,185.5 105.027,185.5 105.477,185.05 129.8,185.05 130.431,185.681 v1(130.431,185.781) ; v1(142,158) 144,156 157.066,156 161.316,151.75 168.948,151.75 170.75,149.948 170.75,146.263 168.25,143.763 168.25,108 176.75,99.5 176.75,94.25 175.575,93.075 IC1.27@174.438,93.075
  Layer 1 w0.2: v1(130.431,185.781) 131.067,185.781 142,174.849 v1(142,158)
  Bottom Layer w0.2: IC3.27@30.062,120.575 31.825,120.575 35.488,124.238 35.488,138.124 37.5,140.136 37.5,140.996 v1@37.496,141 ; v1(37.75,160.5) 39.55,162.3 39.55,162.55 62.15,185.15 75.698,185.15 76.057,185.509 v1(81.003,185.509) ; U1.CN11_2@124.93,209.21 127.202,206.938 128.619,206.938 130.64,204.917 130.64,185.998 130.431,185.79 v1(130.431,185.781)
SSPI2_MOSI: IC1.28 IC3.28 U1.CN12_22 | length 284.1
  Top Layer w0.2: v1@36.75,160.584 37.064,151.668 37.064,148.25 ; v1(36.758,140.242) 36.9,140.776 36.9,141.249 37.064,148.225 ; v1(75.5,185.8) 75.5,185.75 86.288,174.962 86.768,174.962 97.48,164.25 v1(99,164.25) 119.25,164.25 123,168 128.657,168 141.057,155.6 156.9,155.6 161.25,151.25 168.684,151.25 169.384,150.55 169.582,150.55 170.35,149.782 170.35,146.428 170.15,146.228 167.85,143.928 167.85,107.834 170.15,105.534 176.25,99.434 176.25,94.316 175.684,93.75 174.463,93.75 IC1.28@174.438,93.725
  Bottom Layer w0.2: IC3.28@30.062,121.225 31.725,121.225 35.088,124.588 35.088,138.573 v1(36.758,140.242) ; v1(36.75,160.75) 36.867,160.867 61.884,185.449 61.885,185.451 62.234,185.8 v1(75.5,185.8) ; v1(99,164.25) 99,156.433 100.564,154.869 100.564,149.304 U1.CN12_22@99.51,148.25
SSPI2_SCK: IC1.3 IC3.3 U1.CN11_1 | length 299
  Top Layer w0.2: v1(145.25,155) 156.934,155 161.084,150.85 168.519,150.85 169.219,150.15 169.416,150.15 169.95,149.616 169.95,146.594 167.45,144.094 167.45,98.45 167.233,98.233 167.233,92.767 167.575,92.425 IC1.3@168.562,92.425
  Top Layer w0.3: v1@38.9,141 38.9,147.039 39.986,148.125 v1@39.986,160.5 ; v1(80.75,184.5) 93.18,184.5 93.28,184.6 105.629,184.6 105.979,184.25 130.689,184.25 131.189,184.75 v1(131.25,184.75)
  Layer 1 w0.2: v1(131.25,184.75) 140.826,175.174 140.826,158.326 141.782,157.37 142.88,157.37 v1(145.25,155)
  Bottom Layer w0.3: IC3.3@35.938,119.925 36.013,120 36.82,120 37.025,120.205 37.025,121.595 36.82,121.8 36.114,121.8 35.938,121.976 35.938,137.938 v1(39,141) ; v1@39.986,160.5 40,160.514 40,162.25 62.368,184.618 71.459,184.618 71.577,184.5 v1(80.75,184.5) ; U1.CN11_1@124.93,211.75 131.25,205.43 v1(131.25,184.75)
  other v1: 40,160.5
SWCLK: P2.3 U1.CN11_15 | length 80.9
  Top Layer w0.2: U1.CN11_15@107.15,211.75 108.636,210.264 110.127,210.264 110.776,209.615 110.776,208.608 112.775,206.609 138.391,206.609 164.6,180.4 164.6,172.06 P2.3@163.54,171
SWDIO: P2.1 U1.CN11_13 | length 81.8
  Top Layer w0.2: U1.CN11_13@109.69,211.75 111.176,210.264 111.176,208.773 112.941,207.009 138.557,207.009 165,180.566 165,170.975 163.54,169.515 P2.1@163.54,168.46
WaterSense: D8.2 P3.2 P3.4 P3.6 R7.1 U1.CN12_45 | length 128.1
  Top Layer w0.5: P3.6@103.54,176.54 P3.4@103.54,174 P3.2@103.54,171.46 ; v1(103.75,167) 103.75,167.027 103.54,167.237 P3.2@103.54,171.46 ; D8.2@167.8,160 167.8,158.55 165.25,156 R7.1@163,156 163,158.25 162.45,158.8 139.2,158.8 128.75,169.25 105.75,169.25 P3.2@103.54,171.46
  Layer 1 w0.5: U1.CN12_45@69.03,150.79 71.417,153.177 81.677,153.177 82.954,154.454 82.954,158.777 87.056,162.879 99.629,162.879 v1(103.75,167)
pads on no net: B1.3 B1.15 B1.16 B1.17 B1.18 B1.19 B1.20 D9.3 D14.3 IC1.1 IC1.2 IC1.5 IC1.6 IC1.7 IC1.8 IC1.9 IC1.17 IC1.18 IC1.24 IC1.26 IC3.1 IC3.2 IC3.5 IC3.6 IC3.7 IC3.8 IC3.9 IC3.24 IC3.26 P1.1 P1.3 P1.5 P1.7 P1.9 P1.11 P1.12 P1.13 P1.15 P1.16 P1.17 P1.18 P1.19 P1.20 P1.21 P1.22 P1.23 P1.24 P1.25 P1.26 P1.27 P1.28 P1.29 P1.30 P1.31 P1.32 P1.33 P1.34 P1.35 P1.36 P1.37 P1.38 P1.39 P1.40 P2.4 PS3.4 PS3.6 PS4.4 PS4.6 U1. U1.CN3_1 U1.CN3_2 U1.CN4_1 U1.CN4_2 U1.CN7_1 U1.CN7_2 U1.CN7_3 U1.CN7_4 U1.CN7_5 U1.CN7_6 U1.CN7_7 U1.CN7_8 U1.CN7_9 U1.CN7_10 U1.CN7_11 U1.CN7_12 U1.CN7_13 U1.CN7_14 U1.CN7_15 U1.CN7_16 U1.CN7_17 U1.CN7_18 U1.CN7_19 U1.CN7_20 U1.CN8_1 U1.CN8_2 U1.CN8_3 U1.CN8_4 U1.CN8_5 U1.CN8_6 U1.CN8_7 U1.CN8_8 U1.CN8_9 U1.CN8_10 U1.CN8_11 U1.CN8_12 U1.CN8_13 U1.CN8_14 U1.CN8_15 U1.CN8_16 U1.CN9_1 U1.CN9_2 U1.CN9_3 U1.CN9_4 U1.CN9_5 U1.CN9_6 U1.CN9_7 U1.CN9_8 U1.CN9_9 U1.CN9_10 U1.CN9_11 U1.CN9_12 U1.CN9_13 U1.CN9_14 U1.CN9_15 U1.CN9_16 U1.CN9_17 U1.CN9_18 U1.CN9_19 U1.CN9_20 U1.CN9_21 U1.CN9_22 U1.CN9_23 U1.CN9_24 U1.CN9_25 U1.CN9_26 U1.CN9_27 U1.CN9_28 U1.CN9_29 U1.CN9_30 U1.CN10_1 U1.CN10_2 U1.CN10_3 U1.CN10_4 U1.CN10_5 U1.CN10_6 U1.CN10_7 U1.CN10_8 U1.CN10_9 U1.CN10_10 U1.CN10_11 U1.CN10_12 U1.CN10_13 U1.CN10_14 U1.CN10_15 U1.CN10_16 U1.CN10_17 U1.CN10_18 U1.CN10_19 U1.CN10_20 U1.CN10_21 U1.CN10_22 U1.CN10_23 U1.CN10_24 U1.CN10_25 U1.CN10_26 U1.CN10_27 U1.CN10_28 U1.CN10_29 U1.CN10_30 U1.CN10_31 U1.CN10_32 U1.CN10_33 U1.CN10_34 U1.CN11_5 U1.CN11_6 U1.CN11_7 U1.CN11_9 U1.CN11_10 U1.CN11_11 U1.CN11_12 U1.CN11_16 U1.CN11_17 U1.CN11_18 U1.CN11_21 U1.CN11_23 U1.CN11_25 U1.CN11_26 U1.CN11_27 U1.CN11_28 U1.CN11_29 U1.CN11_30 U1.CN11_31 U1.CN11_32 U1.CN11_33 U1.CN11_34 U1.CN11_35 U1.CN11_36 U1.CN11_37 U1.CN11_38 U1.CN11_39 U1.CN11_40 U1.CN11_41 U1.CN11_42 U1.CN11_43 U1.CN11_44 U1.CN11_46 U1.CN11_47 U1.CN11_48 U1.CN11_50 U1.CN11_51 U1.CN11_52 U1.CN11_53 U1.CN11_54 U1.CN11_56 U1.CN11_58 U1.CN11_59 U1.CN11_61 U1.CN11_62 U1.CN11_64 U1.CN11_65 U1.CN11_66 U1.CN11_67 U1.CN11_68 U1.CN11_69 U1.CN11_70 U1.CN12_3 U1.CN12_6 U1.CN12_7 U1.CN12_8 U1.CN12_10 U1.CN12_13 U1.CN12_15 U1.CN12_16 U1.CN12_23 U1.CN12_27 U1.CN12_34 U1.CN12_35 U1.CN12_36 U1.CN12_37 U1.CN12_38 U1.CN12_40 U1.CN12_42 U1.CN12_44 U1.CN12_47 U1.CN12_49 U1.CN12_50 U1.CN12_53 U1.CN12_57 U1.CN12_58 U1.CN12_59 U1.CN12_60 U1.CN12_61 U1.CN12_64 U1.CN12_65 U1.CN12_66 U1.CN12_67 U1.CN12_68 U1.CN12_69 U1.CN12_70 U1.CN15_1 U1.CN15_2 U1.CN16_1 U1.CN16_2 X4.A6 X4.B6 X4.B7 X4.B8 X4.B9 X4.C1 X4.C2 X4.C3 X4.C4 X4.C5 X4.C6 X4.C7 X4.C8 X4.C9
copper on no net:
  other v1: 27.25,116.75

## Polygon pours and split planes (outlines as drawn)
GND on Top Layer "GND_L01_P011" (solid, pour order 11): -3.75,29 -3.75,222 201.25,222 201.25,29
NetC24_1 on Top Layer "NETC24_1_L01_P006" (solid, pour order 6): 129.75,63 130,63.25 130,74 111,74 111,34 180,34 180,63
+48V on Top Layer "+48V_L01_P001" (solid, pour order 1): 0,34 111,34 111,74 51,74 51,58 0,58
NetJ5_1 on Top Layer "NETJ5_1_L01_P007" (solid, pour order 7): 156.5,67.75 156.5,77.25 164.5,77.25 164.5,67.75
GND on Bottom Layer "GND_L04_P005" (solid, pour order 5): -4,31 -4,224 201,224 201,31
NetC23_1 on Bottom Layer "NETC23_1_L04_P004" (solid, pour order 4): 126.75,69.25 126.75,77.5 133.25,77.5 133.25,60 180,60 180,34 104,34 104,54.75 111.75,62.5 111.75,69.25
+5P on Bottom Layer "+5P_L04_P002" (solid, pour order 2): 51,108 68,108 76.5,99.5 125,99.5 125,80 98,80 98,60 72,60 72,61 51,61
+3V3 on Layer 1 "+3V3_L02_P010" (solid, pour order 10): -9.5,33.5 -9.5,226.5 195.5,226.5 195.5,33.5
+48V on Layer 1 "+48V_L02_P009" (solid, pour order 9): 31,45 111,45 111,107.25 149.75,107.25 150.25,107.75 150.25,140.5 108.5,140.5 85.5,117.5 31,117.5
GND on Layer 2 "GND_L03_P008" (solid, pour order 8): -5.75,27 -5.75,220 199.25,220 199.25,27

## Silkscreen, mask and mechanical layers (free items; w line width, h text height)
Top Overlay:
  text "DSUBV2 ROV_24  RevA  JGl" at 177.039,126.75 h4 r90
  text "SCU" at 127.5,107.544 h4
Mechanical 1:
  the board outline again, w0.2

## Text inside footprints (layer, text, board x,y; h text height)
C20: Top Overlay "+" at 122.25,92.45 h1.5 r270
C21: Top Overlay "+" at 62.25,41.196 h1.5 r270
C22: Top Overlay "+" at 83.25,41.196 h1.5 r270
C23: Top Overlay "+" at 107.75,60.296 h1.5 r90
C24: Top Overlay "+" at 128.404,60.296 h1.5 r90
P1: Top Overlay "39" at 65.028,138.048 h1.27 r180; Top Overlay "40" at 65.028,135.508 h1.27 r180; Top Overlay "2" at 117.86,135.508 h1.27 r180; Top Overlay "1" at 117.86,138.048 h1.27 r180
P2: Top Overlay "6" at 161.508,175.064 h1.27 r90; Top Overlay "5" at 164.048,175.064 h1.27 r90; Top Overlay "2" at 161.508,165.92 h1.27 r90; Top Overlay "1" at 164.048,166.428 h1.27 r90
P3: Bottom Overlay "6" at 103.032,178.064 h1.27 r270; Bottom Overlay "5" at 100.492,178.064 h1.27 r270; Bottom Overlay "2" at 103.032,168.92 h1.27 r270; Bottom Overlay "1" at 100.492,169.428 h1.27 r270
P4: Top Overlay "10" at 144.846,135.968 h1.27 r180; Top Overlay "9" at 144.846,138.508 h1.27 r180; Top Overlay "1" at 158.562,138.508 h1.27 r180; Top Overlay "2" at 159.07,135.968 h1.27 r180
P5: Top Overlay "10" at 18.147,136.968 h1.27 r180; Top Overlay "9" at 18.147,139.508 h1.27 r180; Top Overlay "1" at 31.863,139.508 h1.27 r180; Top Overlay "2" at 32.371,136.968 h1.27 r180
P6: Top Overlay "10" at 38.476,136.968 h1.27 r180; Top Overlay "9" at 38.476,139.508 h1.27 r180; Top Overlay "1" at 52.192,139.508 h1.27 r180; Top Overlay "2" at 52.7,136.968 h1.27 r180